# Altium PCB PS1-1B-BASIS.PcbDoc (part 4 of 7) (continued)
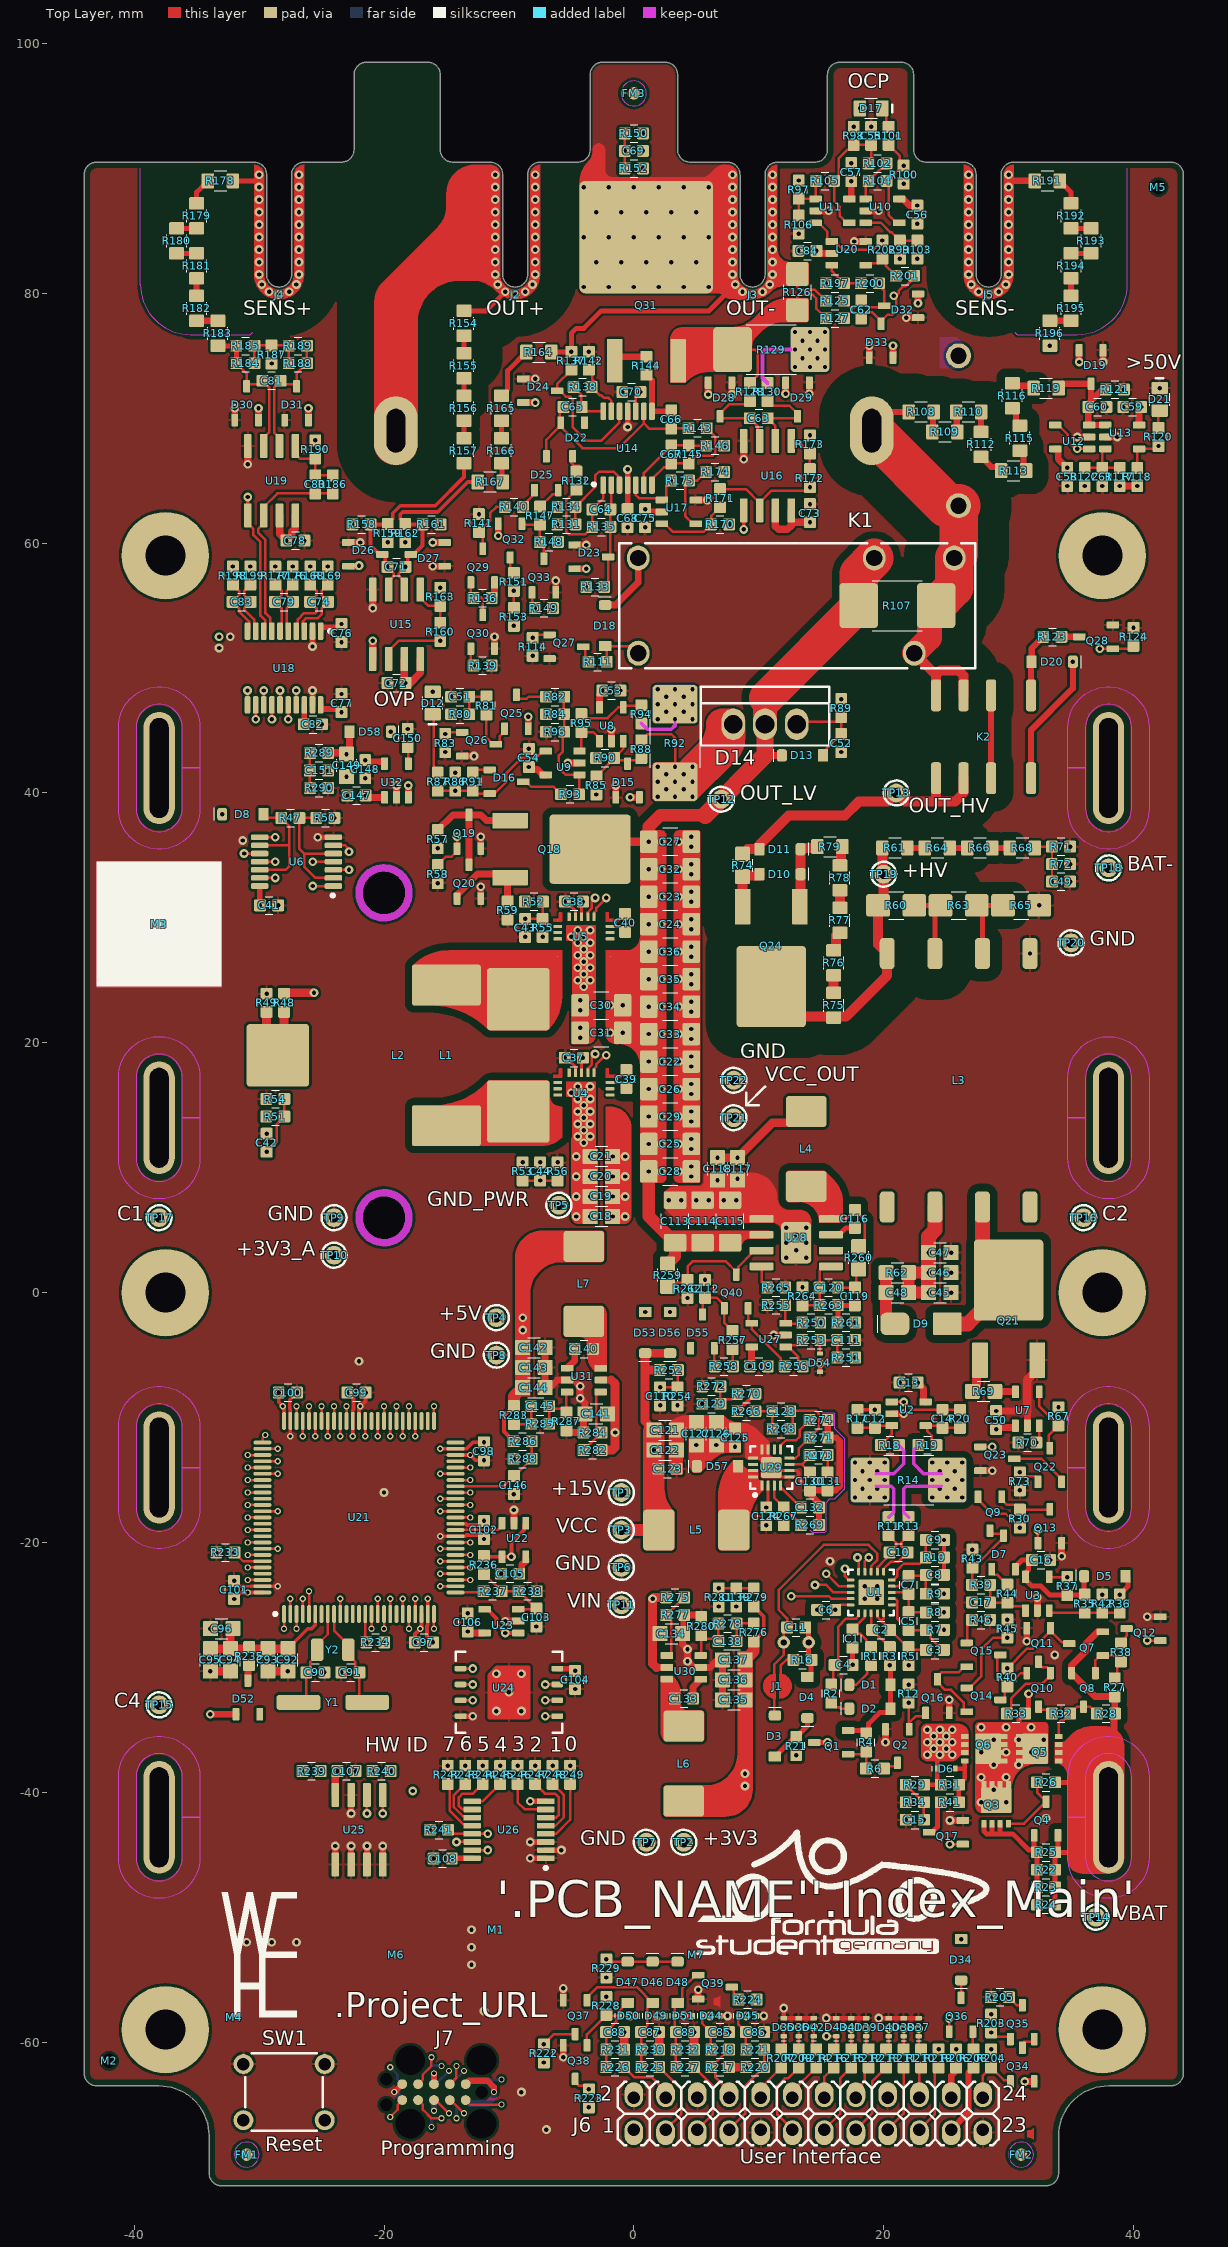
[diagram p0: Top Layer view]
## Nets (pads, with @x,y where several pads share a name; then routed paths per layer and width w, separated by ;. In a path a pad name is that pad's centre, name@x,y a point inside that pad or via, vN(x,y) a via of type N, cw(c..) or ccw(c..) an arc to the next point about the centre after c; other vN are vias at no path point) (continued)
BAT-: BAT4.2 C1.2 C4.2 C6.2 C8.2 C9.2 C11.2 D4.2 R10.1 R13.2 R14.1 R15.2 R16.2 R19.1 TP18.1 U1.11 U1.EP@19,-24 | length 181.4
  Top Layer w0.2: v1(16.9,-22.1) 16.9,-22.7 17.2,-23 U1.11@17.35,-23 ; R13.2@22,-17.975 21.6,-17.575 21.6,-15.7 21.8,-15.5 24.6,-15.5 v1(25.1,-15) 24.6,-14.5 23.2,-14.5 22.4,-13.7 22.4,-12.575 R19.1@22.775,-12.2
  Top Layer w0.3: C8.2@24.825,-22.6 R10.1@24.825,-21.2 v1(24.825,-19.8)
  Top Layer w0.4: C11.2@13.725,-26.8 14,-27.075 R15.2@14,-28 14,-29.175 R16.2@14.225,-29.4 14.2,-29.425 14.2,-30.55 14,-30.75 D4.2@13.9,-30.75 ; C1.2@17.5,-28.425 17.5,-29.775 v1(17.525,-29.8)
  Mid 3 (PWR) w0.3: v1(19.5,-23.5) 23.2,-19.8 v1(24.825,-19.8) 25.225,-19.4 27.6,-19.4 30.1,-16.9 31.4,-16.9 32.1,-16.2 35.1,-16.2 36,-15.3 36,-2.8 34.4,-1.2 34.4,6.7 35.7,8 35.7,18.4 41.6,24.3 41.6,41.4 41,42 BAT4.2@38,42
  Mid 3 (PWR) w0.4: R15.2@14,-28 15,-28 ; v1(14.675,-25.4) 14.732,-25.457 14.732,-26.282 15,-26.55 15,-28 ; v1(16.9,-22.1) 18.3,-23.5 v1(18.5,-23.5) ; v1(17.525,-29.8) 17.525,-28 ; v1(18.5,-24.5) 17.525,-25.475 17.525,-28 ; 15,-28 17.525,-28
  Mid 3 (PWR) w3.1: v1(25.1,-15) v1(25.1,-13.6) 25.1,-8.9 28,-6 28,14 38,24 TP18.1@38,34 BAT4.2@38,42
  other v1: 19.5,-24.5 23.9,-16.4 25.1,-16.4 26.3,-16.4 24.5,-15.7 25.7,-15.7 23.9,-15 26.3,-15 24.5,-14.3 25.7,-14.3 23.9,-13.6 26.3,-13.6
BMS_CTRL.I_BAT: C14.2 R20.2 U2.1@20.65,-8.75 U21.69 | length 88.1
  Top Layer w0.2: U21.69@-25,-10.275 v2(-25,-9.1) ; U2.1@20.65,-8.75 v1(21.6,-8.75) ; v1@21.595,-8.75 22.22,-9.375 C14.2@24.7,-9.375 R20.2@26.1,-9.375
  Mid 1 w0.2: v2(-25,-9.1) -24.4,-9.7 -23.8,-9.7 -23.5,-9.4 -23.5,-8.8 -23.3,-8.6 -22.6,-8.6 -22.4,-8.8 -22.4,-9.4 -21,-10.8 -21,-12.8 -21.5,-13.3 -21.5,-25 -21,-25.5 -18.6,-25.5 -18,-24.9 -18,-23.7 -17.4,-23.1 -17.4,-16 -16.5,-15.1 -15.1,-15.1 -13.8,-13.8 -13.8,-12.3 -12.4,-10.9 -2.7,-10.9 0.3,-7.9 0.3,-6.8 1.4,-5.7 5.4,-5.7 7,-4.1 10.9,-4.1 15.55,-8.75 v1(21.6,-8.75)
BMS_CTRL.WAKEUP: R21.2 U21.10 | length 67.7
  Top Layer w0.2: U21.10@-23.5,-25.725 v2(-23.5,-24.5)
  Mid 4 w0.2: v2(-23.5,-24.5) -29.3,-30.3 -29.3,-34.7 -28.1,-35.9 -5.686,-35.9 -3,-38.586 -3,-42.4 0.1,-45.5 6.7,-45.5 13.1,-39.1 13.1,-37.775 13,-37.675 v1(13,-37.025)
BMS_ON_OFF.CHG: Q17.1@26.35,-44.15 U1.10 | length 34.6
  Top Layer w0.2: v1(17.9,-21.2) 18,-21.3 U1.10@18,-22.35 ; v1(25.3,-44.15) Q17.1@26.35,-44.15
  Mid 1 w0.2: v1(17.9,-21.2) 18.6,-20.5 20.1,-20.5 22,-22.4 22,-27.1 24,-29.1 24,-31.7 20.85,-34.85 20.85,-42.25 22.75,-44.15 v1(25.3,-44.15)
BMS_ON_OFF.DSG: Q2.1@22.05,-34.95 Q16.1@23.35,-33.65 Q36.1@25.25,-59.15 R12.1 U1.9 | length 50
  Top Layer w0.2: U1.9@18.5,-22.35 18.5,-21.5 v1(18.8,-21.2) ; v1(22,-32.825) 22,-34.375 22.05,-34.425 ; Q2.1@22.05,-34.95 22.05,-34.425 ; Q16.1@23.35,-33.65 23.1,-33.9 22.575,-33.9 22.05,-34.425 ; Q36.1@25.25,-59.15 v1(25.25,-58.1)
  Mid 1 w0.2: v1(18.8,-21.2) 20.1,-21.2 21.6,-22.7 21.6,-27.3 23.5,-29.2 23.5,-31.325 v1(22,-32.825) 21.475,-32.825 19.5,-34.8 19.5,-48.6 25.25,-54.35 v1(25.25,-58.1)
BOOT0: J7.9 R233.1 U21.95 | length 63.1
  Top Layer w0.2: v1(-31.975,-20.8) -31.275,-21.5 U21.95@-29.725,-21.5 ; J7.9@-14.73,-64.635 -14.665,-64.635 v2(-13.6,-65.7)
  Mid 1 w0.2: v1(-31.975,-20.8) -32.5,-20.8 -33.7,-22 -33.7,-25 -33.3,-25.4 -33.3,-44.3 -19.7,-57.9 -14.9,-57.9 -13.8,-59 -13.8,-61.6 -13.6,-61.8 v2(-13.6,-62.3) -13.6,-62.6 -14,-63 -14,-65 -13.6,-65.4 v2(-13.6,-65.7)
  Bottom Layer w0.2: J7.9@-14.73,-63.365 -14.665,-63.365 v2(-13.6,-62.3)
BTN_ESC: J6.4 R226.1 | length 4.6
  Top Layer w0.2: R226.1@-0.775,-62 0.025,-62.8 1.4,-62.8 2.54,-63.94 J6.4@2.54,-64.46
BTN_ESC_f: C88.1 D47.2 D50.1 Q38.1@-3.75,-60.25 R226.2 R228.1 R231.1 | length 10
  Top Layer w0.2: Q38.1@-3.75,-60.25 -3.75,-59.375 R228.1@-2.2,-57.825 -2.125,-57.9 D50.1@-1.125,-57.9 ; R226.2@-2.225,-62 R231.1@-2.225,-60.6 C88.1@-2.225,-59.2 -1.425,-58.4 -1.425,-58.275 -1.125,-57.975 D50.1@-1.125,-57.9 ; D47.2@-0.5,-56.85 -1.125,-57.475 D50.1@-1.125,-57.9
BTN_OK: J6.3 R225.1 | length 6.3
  Top Layer w0.2: R225.1@2.025,-62 3.8,-63.775 3.8,-65.74 J6.3@2.54,-67
BTN_OK_f: C87.1 D46.2 D49.1 Q37.1@-3.75,-56.65 R225.2 R230.1 | length 11.9
  Top Layer w0.2: Q37.1@-3.75,-56.65 -3.75,-56.425 -2.925,-55.6 0.25,-55.6 D46.2@1.5,-56.85 1.075,-57.275 D49.1@1.075,-57.9 1.075,-58.7 C87.1@0.575,-59.2 R230.1@0.575,-60.6 R225.2@0.575,-62
BTN_OUT: J6.5 R227.1 | length 6.1
  Top Layer w0.2: R227.1@4.825,-62 6.3,-63.475 6.3,-65.78 J6.5@5.08,-67
BTN_OUT_f: C89.1 D48.2 D51.1 Q39.1@5.15,-54.65 R227.2 R232.1 | length 8.3
  Top Layer w0.2: R227.2@3.375,-62 R232.1@3.375,-60.6 C89.1@3.375,-59.2 3.275,-59.1 D51.1@3.275,-57.9 3.275,-57.075 3.475,-56.875 3.535,-56.875 3.86,-56.55 3.86,-55.715 4.925,-54.65 Q39.1@5.15,-54.65
BUTTON.ESC: Q38.3 R223.2 U21.86 | length 119.5
  Top Layer w0.2: v2(-30.9,-17) U21.86@-29.725,-17 ; Q38.3@-4.7,-62.95 -4.7,-63.175 -4.38,-63.495 -3.88,-63.495 v1(-3.6,-63.775)
  Mid 1 w0.2: v2(-30.9,-17) -31.7,-17 -34.2,-14.5 -34.2,-8.8 -36.3,-6.7 -41.2,-6.7 -42.9,-8.4 -42.9,-48.3 -33.5,-57.7 -33.5,-61.7 -24.7,-70.5 -6.9,-70.5 -2.5,-66.1 -2.5,-64.875 v1(-3.6,-63.775)
BUTTON.OK: Q37.3 R222.2 U21.98 | length 55.9
  Top Layer w0.2: v2(-30.9,-23) U21.98@-29.725,-23 ; v1(-7.2,-60.175) -6.375,-59.35 Q37.3@-4.7,-59.35
  Mid 1 w0.2: v2(-30.9,-23) -31.4,-23.5 -31.4,-24.774 -32.1,-25.474 -32.1,-41.9 -18.7,-55.3 -12.075,-55.3 v1(-7.2,-60.175)
BUTTON.OUT: Q39.3 R224.2 U21.96 | length 79.9
  Top Layer w0.2: v2(-30.9,-22) U21.96@-29.725,-22 ; Q39.3@7.85,-55.6 8,-55.75 8,-56.225 v1(8.375,-56.6)
  Mid 1 w0.2: v2(-30.9,-22) -32.5,-22 -32.9,-22.4 -32.9,-24.6 -32.5,-25 -32.5,-42.7 -19.1,-56.1 -12.4,-56.1 -8.7,-59.8 -8.7,-61.9 -7.9,-62.7 -6.2,-62.7 -5,-61.5 6.4,-61.5 7,-60.9 7,-58.9 7.4,-58.5 7.8,-58.5 8.375,-57.925 v1(8.375,-56.6)
C1: BAT3.2 BAT4.1 R9.1 TP17.1 | length 339.5
  Mid 1 w2.5: BAT3.2@-38,14 BAT4.1@-38,42
  Mid 2 (GND) w2.5: BAT3.2@-38,14 BAT4.1@-38,42
  Mid 3 (PWR) w0.3: BAT3.2@-38,11 -41.6,7.4 -41.6,-48.1 -28.8,-60.9 -28.8,-68.8 -26.8,-70.8 29.6,-70.8 32.1,-68.3 32.1,-65.9 33.8,-64.2 33.8,-57.4 42.3,-48.9 42.3,-22.6 39.7,-20 32.8,-20 30,-22.8 26.125,-22.8 v1(24.825,-24.1)
  Mid 3 (PWR) w1.5: TP17.1@-38,6 -38,11 BAT3.2@-38,14
  Mid 3 (PWR) w2.5: BAT3.2@-38,14 BAT4.1@-38,42
  Mid 4 w2.5: BAT3.2@-38,14 BAT4.1@-38,42
C2: BAT2.2 BAT3.1 R7.1 R8.1 TP16.1 | length 149.6
  Mid 1 w2.5: TP16.1@36,6 38,8 BAT3.1@38,14
  Mid 2 (GND) w2.5: TP16.1@36,6 38,8 ; BAT2.2@38,-14 38,-8 41.8,-4.2 41.8,4.2 38,8 ; BAT3.1@38,14 38,8
  Mid 3 (PWR) w0.3: v1(24.825,-27) v1(24.825,-25.6) 23.8,-24.575 23.8,-23.5 25.5,-21.8 27.9,-21.8 29.2,-20.5 29.2,-19 30.5,-17.7 31.8,-17.7 32.4,-17.1 37.4,-17.1 38,-16.5 BAT2.2@38,-14
  Mid 3 (PWR) w2.5: BAT2.2@38,-14 38,-8 41.8,-4.2 41.8,4.2 38,8 BAT3.1@38,14
  Mid 4 w2.5: BAT2.2@38,-14 38,-8 ; BAT3.1@38,14 38,8 ; 38,-8 41.8,-4.2 41.8,4.2 38,8 ; 38,-8 33,-3 33,3 TP16.1@36,6 38,8
C4: BAT1.2 BAT2.1 R5.1 TP15.1 | length 246.2
  Mid 1 w2.5: BAT1.2@-38,-42 TP15.1@-38,-33 BAT2.1@-38,-14
  Mid 2 (GND) w2.5: BAT1.2@-38,-42 TP15.1@-38,-33 BAT2.1@-38,-14
  Mid 3 (PWR) w0.3: BAT1.2@-38,-42 -38,-48.1 -27.2,-58.9 -27.2,-67.4 -25.3,-69.3 28.9,-69.3 30.4,-67.8 30.4,-65.5 32.3,-63.6 32.3,-51.8 26.7,-46.2 26.7,-30.6 25.925,-29.825 v1(22,-29.825)
  Mid 3 (PWR) w2.5: BAT1.2@-38,-42 TP15.1@-38,-33 BAT2.1@-38,-14
  Mid 4 w2.5: BAT1.2@-38,-42 TP15.1@-38,-33 BAT2.1@-38,-14
CONV_CTRL.EN: R47.1 R50.1 U6.2 U6.5 U21.38 | length 86.6
  Top Layer w0.2: v1(-25.425,38) R47.1@-26.775,38 -26.775,35.525 -26.4,35.15 ; U6.2@-24.05,33.2 -25.5,33.2 -26.4,34.1 -26.4,35.15 ; U6.5@-24.05,35.15 -26.4,35.15 ; U21.38@-14.275,-18 v2(-13.1,-18)
  Mid 4 w0.2: v1(-25.425,38) -26.825,39.4 -29.3,39.4 -32,36.7 -32,34 -31.7,33.7 -31.7,6.2 -23.1,-2.4 -18.5,-2.4 -11.3,-9.6 -11.3,-16.2 v2(-13.1,-18)
CONV_CTRL.PRIM_H: U6.10 U21.72 | length 53.1
  Top Layer w0.2: v1(-31.2,35.15) U6.10@-29.95,35.15 ; v2(-26.5,-11.5) U21.72@-26.5,-10.275
  Mid 1 w0.2: v1(-31.2,35.15) -33.3,33.05 -33.3,4.8 -31.4,2.9 -31.4,-2.6 -26.2,-7.8 -26.2,-8.3 -26.5,-8.6 v2(-26.5,-11.5)
CONV_CTRL.PRIM_L: U6.13 U21.71 | length 50.8
  Top Layer w0.2: U6.13@-29.95,33.2 v1(-28.7,33.2) ; U21.71@-26,-10.275 v2(-26,-9.1)
  Mid 1 w0.2: v1(-28.7,33.2) -31,33.2 -32.5,31.7 -32.5,5.1 -30.6,3.2 -30.6,-2.3 -25.4,-7.5 -25.4,-8.1 -26,-8.7 v2(-26,-9.1)
CONV_CTRL.SEC_H: U6.4 U21.68 | length 56.6
  Top Layer w0.2: v1(-25.7,34.5) U6.4@-24.05,34.5 ; v2(-24.5,-11.5) U21.68@-24.5,-10.275
  Mid 1 w0.2: v1(-25.7,34.5) -28,32.2 -30.5,32.2 -31.7,31 -31.7,5.6 -29.8,3.7 -29.8,-2 -24.6,-7.2 -24.6,-7.9 -25.5,-8.8 -25.5,-9.5 -24.5,-10.5 v2(-24.5,-11.5)
CONV_CTRL.SEC_L: U6.1 U21.67 | length 49.7
  Top Layer w0.2: v1(-25.7,32.55) U6.1@-24.05,32.55 ; U21.67@-24,-10.275 v2(-24,-9.1)
  Mid 1 w0.2: v1(-25.7,32.55) -30.9,27.35 -30.9,6.1 -29,4.2 -29,-1.7 -23.8,-6.9 -23.8,-8.5 -24,-8.7 v2(-24,-9.1)
CONV_CTRL.TEMP_PRIM: C44.1 R53.2 R56.1 U21.56 | length 29.1
  Top Layer w0.2: v2(-18.5,-11.5) U21.56@-18.5,-10.275 ; R53.2@-8.9,8.975 v1(-7.5,8.975) R56.1@-6.1,8.975
  Mid 1 w0.2: v2(-18.5,-11.5) -18.5,-2.025 v1(-7.5,8.975)
CONV_CTRL.TEMP_SEC: C43.1 R52.2 R55.1 U21.57 | length 63.7
  Top Layer w0.2: U21.57@-19,-10.275 v2(-19,-9.1) ; v1(-8.7,29.925) R55.1@-7.3,29.925 -7.275,29.95 R52.2@-7.275,31.3
  Mid 1 w0.2: v2(-19,-9.1) -19,-6.2 -19.3,-5.9 -19.3,-5.1 -25.8,1.4 -25.8,5.5 -27.6,7.3 -27.6,27 -25.7,28.9 -17.4,28.9 -16.375,29.925 v1(-8.7,29.925)
CONV_CTRL.TEMP_TRAFO: C42.1 R51.2 R54.1 U21.59 | length 30.4
  Top Layer w0.2: v1(-29.4,11.275) -28.6,12.075 -28.6,13.475 R51.2@-27.975,14.1 -27.975,15.2 -28.125,15.35 R54.1@-27.975,15.5 ; U21.59@-20,-10.275 v2(-20,-9.1)
  Mid 1 w0.2: v1(-29.4,11.275) -29.3,11.175 -29.3,6.8 -27.4,4.9 -27.4,0.8 -20.9,-5.7 -20.9,-6.5 -20,-7.4 v2(-20,-9.1)
CONV_PRIM_H: U4.12 U6.8 | length 38.3
  Top Layer w0.2: U6.8@-29.95,36.45 v1(-28.7,36.45) ; U4.12@-3.175,17.6 -3.175,17.925 -3,18.1 -3,18.3 -2.3,19 v1(-2.2,19)
  Mid 4 w0.2: v1(-28.7,36.45) -26.8,34.55 -26.8,32.2 -14.4,19.8 -2.9,19.8 -2.2,19.1 v1(-2.2,19)
CONV_PRIM_L: U4.13 U6.11 | length 37.7
  Top Layer w0.2: U6.11@-29.95,34.5 v1(-28.7,34.5) ; U4.13@-3.675,17.6 -3.675,17.952 -3.35,18.277 -3.35,18.85 v1(-3.1,19.1)
  Mid 4 w0.2: v1(-28.7,34.5) -28.2,34.5 -27.6,33.9 -27.6,31.9 -13.4,17.7 -3.8,17.7 -3.1,18.4 v1(-3.1,19.1)
CONV_SEC_H: U5.12 U6.6 | length 35.2
  Top Layer w0.2: U6.6@-24.05,35.8 -23.1,35.8 -22.8,35.5 v1(-22.8,35.3) ; U5.12@-3.175,30.1 -3.175,30.425 -3,30.6 -3,30.8 v1(-2.2,31.6)
  Mid 4 w0.2: v1(-22.8,35.3) -23.3,35.3 -23.8,34.8 -23.8,30.5 -20.2,26.9 -6.8,26.9 -5.9,27.8 -5.9,29.3 -4.9,30.3 -3,30.3 -2.2,31.1 v1(-2.2,31.6)
CONV_SEC_L: U5.13 U6.3 | length 31.6
  Top Layer w0.2: U6.3@-24.05,33.85 v1(-22.8,33.85) ; U5.13@-3.675,30.1 -3.675,30.452 -3.35,30.777 -3.35,31.35 v1(-3.1,31.6)
  Mid 4 w0.2: v1(-22.8,33.85) -23,33.65 -23,30.8 -19.9,27.7 -7.1,27.7 -6.7,28.1 -6.7,29.6 -6.2,30.1 -6.2,31.6 -5.4,32.4 -3.5,32.4 -3.1,32 v1(-3.1,31.6)
DISCHARGE/: Q19.1@-14.15,35.55 R58.1 U21.31 | length 97.5
  Top Layer w0.2: R58.1@-15.7,34.225 -15.025,34.9 -14.575,34.9 -14.15,35.325 Q19.1@-14.15,35.55 v1(-14.15,36.5) ; v2(-15.5,-21.5) U21.31@-14.275,-21.5
  Mid 4 w0.2: v2(-15.5,-21.5) -15.9,-21.5 -16.4,-21 -16.4,-19.6 -15.6,-18.8 -14.6,-18.8 -14.1,-18.3 -14.1,-7.9 -18.8,-3.2 -23.4,-3.2 -32.5,5.9 -32.5,37.3 -28.7,41.1 -24,41.1 -23.4,40.5 -20.3,40.5 -18.8,39 -16.65,39 v1(-14.15,36.5)
DISPLAY.CS: D40.1 R213.2 U21.3 | length 79.8
  Top Layer w0.2: v2(-27,-26.9) U21.3@-27,-25.725 ; R213.2@20.2,-60.575 20.4,-60.375 D40.1@20.4,-59.525 v1(20.4,-58.9)
  Mid 1 w0.2: v2(-27,-26.9) -27.1,-27 -27.1,-27.3 -29.7,-29.9 -29.7,-36.2 -22,-43.9 -22,-44.6 -17.9,-48.7 -9.6,-48.7 -4,-54.3 -4,-56 -2.5,-57.5 -1.4,-57.5 3.5,-52.6 16.7,-52.6 20.4,-56.3 v1(20.4,-58.9)
DISPLAY.MISO: D37.1 R210.2 U21.4 | length 95.3
  Top Layer w0.2: U21.4@-26.5,-25.725 v2(-26.5,-24.5) ; v1(22.8,-58.9) D37.1@22.8,-59.525 22.8,-60.375 R210.2@23,-60.575
  Mid 1 w0.2: v2(-26.5,-24.5) -26.5,-24.1 -27.7,-22.9 -28.8,-22.9 -29.1,-23.2 -29.1,-24.6 -31.3,-26.8 -31.3,-40.3 -18.5,-53.1 -11.7,-53.1 -4.1,-60.7 4.6,-60.7 5.5,-59.8 5.5,-57.5 7.2,-55.8 15.1,-55.8 16.4,-57.1 16.4,-59.3 18.1,-61 21.4,-61 22.8,-59.6 v1(22.8,-58.9)
DISPLAY.MOSI: D38.1 R211.2 U21.5 | length 90.9
  Top Layer w0.2: U21.5@-26,-25.725 v2(-26,-23.9) ; R211.2@21.6,-60.575 D38.1@21.6,-59.525 v1(21.6,-58.9)
  Mid 1 w0.2: v2(-26,-23.9) -26,-24.8 -27.1,-25.9 -28.3,-25.9 -30.5,-28.1 -30.5,-38.7 -18.9,-50.3 -12.1,-50.3 -2.5,-59.9 2.5,-59.9 3.3,-59.1 3.3,-56.6 5.7,-54.2 15.9,-54.2 18,-56.3 18,-59.5 18.7,-60.2 21.1,-60.2 21.6,-59.7 v1(21.6,-58.9)
DISPLAY.SCK: D39.1 R212.2 U21.1 | length 79.2
  Top Layer w0.2: v2(-28,-26.9) U21.1@-28,-25.725 ; v1(18.6,-58.9) D39.1@18.6,-59.525 18.6,-60.375 R212.2@18.8,-60.575
  Mid 1 w0.2: v2(-28,-26.9) -30.1,-29 -30.1,-37.1 -23.3,-43.9 -23.3,-44.6 -18.4,-49.5 -10.5,-49.5 -4.8,-55.2 -4.8,-56.4 -2.7,-58.5 0.1,-58.5 5.2,-53.4 16.3,-53.4 18.9,-56 18.9,-58.6 v1(18.6,-58.9)
DISPLAY.WR: D41.1 R215.2 U21.2 | length 82.3
  Top Layer w0.2: U21.2@-27.5,-25.725 v2(-27.5,-24.5) ; R215.2@17.4,-60.575 D41.1@17.4,-59.525 v1(17.4,-58.9)
  Mid 1 w0.2: v2(-27.5,-24.5) -28,-24.5 -30.9,-27.4 -30.9,-39.5 -18.7,-51.7 -11.9,-51.7 -3.3,-60.3 2.8,-60.3 4.6,-58.5 4.6,-57.2 6.8,-55 15.5,-55 17.2,-56.7 17.2,-58.7 v1(17.4,-58.9)
DISPLAY_CS: J6.15 R213.1 | length 6
  Top Layer w0.2: J6.15@17.78,-67 19.1,-65.68 19.1,-63.125 R213.1@20.2,-62.025
DISPLAY_MISO: J6.20 R210.1 | length 2.5
  Top Layer w0.2: J6.20@22.86,-64.46 22.86,-62.165 R210.1@23,-62.025
DISPLAY_MOSI: J6.17 R211.1 | length 5.5
  Top Layer w0.2: J6.17@20.32,-67 21.6,-65.72 R211.1@21.6,-62.025
DISPLAY_SCK: J6.16 R212.1 | length 2.9
  Top Layer w0.2: J6.16@17.78,-64.46 17.78,-63.82 18.5,-63.1 18.5,-62.325 R212.1@18.8,-62.025
DISPLAY_WR: J6.13 R215.1 | length 5.9
  Top Layer w0.2: J6.13@15.24,-67 16.51,-65.73 16.51,-62.915 R215.1@17.4,-62.025
ENCODER.A: C86.1 D45.1 R221.2 U21.94 | length 83.5
  Top Layer w0.2: v2(-30.9,-21) U21.94@-29.725,-21 ; R221.2@8.975,-60.6 C86.1@8.975,-59.2 8.375,-58.6 D45.1@8.375,-57.9 v1(9,-57.9)
  Mid 1 w0.2: v2(-30.9,-21) -31.3,-21 -31.8,-21.5 -32.6,-21.5 -33.3,-22.2 -33.3,-24.8 -32.9,-25.2 -32.9,-43.5 -19.3,-57.1 -13.5,-57.1 -9.9,-60.7 -9.9,-62.1 -8.4,-63.6 -6.2,-63.6 -4.5,-61.9 6.7,-61.9 9,-59.6 v1(9,-57.9)
ENCODER.B: C85.1 D44.1 R218.2 U21.93 | length 75.8
  Top Layer w0.2: U21.93@-29.725,-20.5 v2(-28.5,-20.5) ; v1(6.1,-57.9) D44.1@5.475,-57.9 5.475,-58.5 C85.1@6.175,-59.2 R218.2@6.175,-60.6
  Mid 1 w0.2: v2(-28.5,-20.5) -29.1,-20.5 -29.9,-21.3 -29.9,-24.3 -31.7,-26.1 -31.7,-41.1 -18.3,-54.5 -11.4,-54.5 -4.8,-61.1 5.1,-61.1 6.1,-60.1 v1(6.1,-57.9)
ENCODER_A_UI: J6.7 R220.2 R221.1 | length 7.6
  Top Layer w0.2: J6.7@7.62,-67 8.9,-65.72 8.9,-63.525 R220.2@10.425,-62 R221.1@10.425,-60.6
ENCODER_B_UI: J6.8 R217.2 R218.1 | length 5.1
  Top Layer w0.2: J6.8@7.62,-64.46 7.62,-63.92 6.5,-62.8 6.5,-62.325 R217.2@6.175,-62 6.2,-62 7.6,-60.6 R218.1@7.625,-60.6
GND: C13.2 C15.2 C16.2 C17.2 C37.2 C38.2 C41.2 C42.2 C43.2 C44.2 C45.2 C46.2 C47.2 C49.2 C50.2 C51.2 C53.2 C54.2 C55.2 C56.2 C57.2 C58.2 C59.2 C60.2 C61.2 C68.2 C69.2 C70.2 C72.2 C73.2 C75.2 C76.2 C77.2 C78.2 C82.2 C84.2 C85.2 C86.2 C87.2 C88.2 C89.2 C90.2 C91.2 C92.2 C93.2 C94.2 C95.2 C96.2 C97.2 C98.2 C99.2 C100.2 C101.2 C102.2 C103.2 C104.2 C105.2 C106.2 C107.2 C108.2 C109.2 C110.2 C111.2 C112.2 C113.2 C114.2 C115.2 C117.2 C118.2 C121.2 C122.2 C123.2 C124.2 C125.2 C126.2 C127.2 C129.2 C130.2 C131.2 C132.2 C134.2 C135.2 C136.2 C137.2 C139.2 C141.2 C142.2 C143.2 C144.2 C146.2 C147.2 C148.2 C149.2 C150.2 C151.2 D15.1@-1.45,39.65 D19.1@37.55,75.45 D21.1 D23.1@-4.75,59.85 D24.1@-8.85,73.15 D26.1@-22.85,60.05 D27.1@-15.15,58.15 D28.1@7.85,72.85 D29.1@14.05,72.85 D30.1@-31.95,69.85 D31.1@-27.95,69.85 D32.1@22.75,78.05 D33.1@18.85,74.85 D35.2 D36.2 D37.2 D38.2 D39.2 D40.2 D41.2 D42.2 D43.2 D44.2 D45.2 D49.2 D50.2 D51.2 D54.2 J6.2 J6.6 J6.9 J6.18 J6.23 J7.3 J7.5 L3.5 NT1.1 Q2.2 Q11.2 Q12.2 Q13.2 Q16.2 Q17.2 Q19.2 Q20.2 Q21.2 Q23.2 Q26.2 Q27.2 Q28.2 Q30.2 Q33.2 Q37.2 Q38.2 Q39.2 R11.2 R12.2 R14.2 R18.1 R34.2 R42.2 R43.2 R45.2 R46.2 R49.2 R50.2 R54.2 R55.2 R56.2 R58.2 R59.2 R65.2 R70.2 R71.2 R72.2 R73.2 R83.2 R90.2 R96.2 R103.2 R106.2 R114.2 R121.2 R122.2 R124.2 R134.2 R139.2 R141.2 R142.2 R152.2 R205.2 R229.2 R230.2 R231.2 R232.2 R233.2 R238.2 R242.2 R243.2 R244.2 R245.2 R246.2 R247.2 R248.2 R249.2 R254.2 R255.2 R262.2 R264.2 R265.2 R269.2 R271.2 R272.2 R274.2 R277.2 R280.2 R281.2 R284.2 R287.2 R288.2 R290.2 SW1.2 TP6.1 TP7.1 TP8.1 TP9.1 TP20.1 TP22.1 U2.2 U3.2 U4.15 U5.15 U6.7 U7.2 U8.2 U9.2 U10.2 U11.2 U12.2 U13.2 U14.11 U15.4 U16.4 U17.5 U18.2 U18.19 U19.4 U20.5 U21.23 U21.35 U21.48 U21.63 U21.74 U21.99 U22.2 U23.2 U24.4 U24.EP U25.1@-23.905,-45.78 U25.2 U25.3 U25.4 U25.7 U26.1 U26.2 U26.3 U26.8 U27.2 U28.1@10.22,5.905 U28.EP U29.5 U29.6 U29.11 U29.12 U29.13 U29.EP U30.2 U31.2 U32.2 | length 188.6
  Top Layer w0.2: -31.15,-23.5 -30.65,-23.5 ; R11.2@20.4,-17.975 20.8,-17.575 20.8,-15.7 20.6,-15.5 19.4,-15.5 v1(18.9,-15) 19.4,-14.5 20.8,-14.5 21.6,-13.7 21.6,-12.625 21.2,-12.225 R18.1@21.225,-12.2
  Top Layer w0.25: v1(-5.525,18.8) -5.4,18.8 -4.675,18.075 U4.15@-4.675,17.6 ; v1(-5.525,31.3) -5.4,31.3 -4.675,30.575 U5.15@-4.675,30.1 ; C125.2@8.1,-10.875 C125.2@8.475,-10.875 ; C130.2@14.1,-15.825 13.2,-14.925 13.2,-14.75 ; C125.2@8.475,-10.875 9.475,-10.875 10.4,-11.8 ; C125.2@8.475,-10.875 9.1,-11.5 9.1,-13.1 9.25,-13.25 U29.13@9.55,-13.25 U29.EP@10.25,-13.25 ; U29.EP@10.25,-13.25 U29.12@10.25,-12.55 10.25,-11.95 10.4,-11.8 ; U29.EP@10.25,-13.25 U29.EP@10.75,-13.75 ; 10.4,-11.8 10.75,-12.15 U29.11@10.75,-12.55 U29.EP@10.75,-13.75 ; U29.EP@10.75,-13.75 U29.EP@11,-14 U29.EP@11.25,-14.25 ; U29.EP@11.25,-14.25 U29.6@12.45,-14.25 13.05,-14.25 13.2,-14.4 13.2,-14.75 ; U29.EP@11.25,-14.25 11.75,-14.75 U29.5@12.45,-14.75 13.2,-14.75
  Top Layer w0.3: v1(-32,-23.075) -31.575,-23.5 -31.15,-23.5 ; -30.65,-23.5 U21.99@-29.725,-23.5 v2(-28.5,-23.5) ; v2(-27.5,-11.5) U21.74@-27.5,-10.275 -27.5,-9.35 -27.55,-9.3 -27.55,-8.575 v1(-26.975,-8) ; U21.63@-22,-10.275 -22,-9.2 v2(-21.9,-9.1) -21.475,-8.675 v1(-21.475,-8) ; v1(-17.525,-28) -17.525,-27.325 v2(-17.1,-26.9) -17,-26.8 U21.23@-17,-25.725 ; v2(-15.5,-19.5) U21.35@-14.275,-19.5 -13.5,-19.5 -13.4,-19.4 -12.325,-19.4 v1(-12,-19.725) ; U21.48@-14.275,-13 v2(-13.1,-13) -12.675,-13.425 v1(-12,-13.425)
  Top Layer w0.35: v1(-0.3,-57.9) D50.2@0.325,-57.9 ; v1(1.9,-57.9) D49.2@2.525,-57.9 ; v1(4,-57.9) D51.2@4.725,-57.9 ; D44.2@6.925,-57.9 v1(7.5,-57.9) ; D45.2@9.825,-57.9 v1(10.4,-57.9) ; v1(12,-57.275) D35.2@12,-58.075 D42.2@14.4,-58.075 ; D54.2@14.9,-6.325 v1(14.9,-5.7) ; v1(15.4,-58.075) D43.2@16.2,-58.075 D39.2@18.6,-58.075 ; v1(19.6,-58.075) D40.2@20.4,-58.075 D37.2@22.8,-58.075
  Top Layer w0.45: U18.19@-25.725,47.05 v1(-25.725,48.2) ; v1(-25.725,51.725) U18.2@-25.725,52.95 ; v1(-25.3,36.45) U6.7@-24.05,36.45 ; U24.4@-13.87,-33.905 v1(-12.9,-33.905) ; v1(-8.3,-45.275) U26.1@-7.05,-45.275 ; v1(-8.3,-43.975) U26.3@-7.05,-43.975 ; v1(-8.3,-40.725) U26.8@-7.05,-40.725 ; U26.2@-7.05,-44.625 v1(-5.8,-44.625) ; v1(-0.5,69.3) U14.11@-0.5,70.55
  Top Layer w0.5: U25.1@-23.905,-45.78 v1(-23.905,-44.3) ; U25.2@-22.635,-45.78 v1(-22.635,-44.3) ; v1(-22.635,-41.7) U25.7@-22.635,-40.22 ; U25.3@-21.365,-45.78 v1(-21.365,-44.3) ; U25.4@-20.095,-45.78 v1(-20.095,-44.3) ; v2(-19.175,-64) J7.5@-18.54,-63.365 ; J7.3@-16,-63.365 v2(-16,-62.5) ; R269.2@14.825,-18.775 R269.2@14.825,-18.6 C132.2@14.825,-17.2 14.825,-16.862 14.1,-16.137 C130.2@14.1,-15.825 14.825,-15.825 C131.2@15.5,-15.825 16.174,-15.825 16.475,-15.524 16.475,-11.876 16.199,-11.6 R271.2@15.525,-11.6 R274.2@15.525,-10.2
  Top Layer w0.55: D30.1@-31.95,69.85 v1(-31.95,70.8) ; D26.1@-22.85,60.05 v1(-21.9,60.05) ; U32.2@-19,39.65 v1(-19,40.6) ; v1(-16.1,58.15) D27.1@-15.15,58.15 ; Q26.2@-13.75,42.95 v1(-12.8,42.95) ; Q20.2@-12.25,31.55 v1(-12.25,32.5) ; Q19.2@-12.25,35.55 v1(-12.25,36.5) ; Q30.2@-11.15,51.55 v1(-11.15,52.5) ; v1(-10.3,-26.3) U23.2@-9.25,-26.3 ; U22.2@-9.6,-18.45 v1(-9.6,-17.4) ; D24.1@-8.85,73.15 v1(-7.9,73.15) ; C142.2@-7.1,-4.4 C143.2@-7.1,-6 C144.2@-7.1,-7.6 -6.7,-7.6 -6.1,-7 U31.2@-5.35,-7 -4.8,-7 v1(-4.3,-7.5) v1(-4.3,-8.456) -3.9,-8.856 C141.2@-3.9,-9.7 ; Q33.2@-6.25,56.05 v1(-6.25,57) ; v1(-5.65,-61.2) Q38.2@-5.65,-60.25 ; Q37.2@-5.65,-56.65 v1(-5.65,-55.7) ; R287.2@-5.4,-11.025 -5.225,-11.2 R284.2@-4.025,-11.2 C141.2@-4.025,-10.047 ; v1(-5.3,42.4) U9.2@-4.35,42.4 ; D23.1@-4.75,59.85 v1(-3.8,59.85) ; U8.2@-1.8,44.15 v1(-1.8,45.1) ; D15.1@-1.45,39.65 v1(-1.45,40.6) ; C134.2@3.9,-27.3 3.9,-28.144 v1(4.3,-28.544) v1(4.3,-29.5) 4.8,-30 6.1,-30 6.7,-29.4 C137.2@7.1,-29.4 C136.2@7.1,-31 C135.2@7.1,-32.6 ; C134.2@4.025,-26.953 R277.2@4.025,-25.8 5.225,-25.8 R280.2@5.4,-25.975 ; U17.5@4.95,63.45 v1(5.9,63.45) ; Q39.2@5.15,-56.55 v1(5.15,-55.8) ; v1(7.85,71.9) D28.1@7.85,72.85 ; v1(11.2,-3.4) U27.2@12.15,-3.4 ; v1(14.05,71.95) 14.05,72.85 D29.1@14.05,72.9 ; U11.2@14.55,86.6 v1(15.6,86.6) ; v1(17.65,84.15) U20.5@18.6,84.15 ; U10.2@18.55,86.6 v1(19.6,86.6) ; D33.1@18.85,74.85 v1(18.85,75.8) ; v1(20.15,-36) Q2.2@20.15,-34.95 ; U2.2@20.65,-9.7 v1(21.6,-9.7) ; v1(21.8,78.05) D32.1@22.75,78.05 ; Q16.2@25.25,-33.65 v1(25.25,-32.6) ; v1(25.3,-42.25) Q17.2@26.35,-42.25 ; Q23.2@27.75,-14.25 v1(28.7,-14.25) ; v1(29,-9.475) 31.5,-9.475 U7.2@31.5,-10.65 ; v1(31.45,-27.9) Q11.2@31.45,-26.85 ; U3.2@32.3,-25.45 v1(32.3,-24.4) ; v1(34.25,-21.1) Q13.2@34.25,-20.05 ; v1(35.5,68.5) U12.2@36.45,68.5 ; v1(37.55,74.5) D19.1@37.55,75.45 ; U13.2@37.75,68.5 v1(38.7,68.5) ; v1(41.1,-25.95) Q12.2@42.15,-25.95
  Top Layer w0.6: v1(-30.905,66.305) U19.4@-30.905,67.78 ; v1(-20.905,54.8) U15.4@-20.905,56.275 ; v1(8.795,66.705) U16.4@8.795,68.18
  Top Layer w0.7: v1(-33.9,-30.3) C94.2@-32.3,-30.3 ; C93.2@-29.3,-30.3 v1(-27.7,-30.3) ; R231.2@-0.775,-60.6 v1(-0.775,-59.2) ; R230.2@2.025,-60.6 v1(2.025,-59.2) ; v1(2.8,7.4) C113.2@3.3,7.4 v1(3.8,7.4) ; R232.2@4.825,-60.6 v1(4.825,-59.2) ; v1(5,7.4) C114.2@5.5,7.4 v1(6,7.4) ; C126.2@6.6,-10.4 6.8,-10.6 7.4,-10.6 7.675,-10.875 C125.2@8.1,-10.875 ; v1(7.2,7.4) C115.2@7.7,7.4 v1(8.2,7.4) ; 31.5,-9.475 31.5,-6.986 32.286,-6.2 Q21.2@32.286,-5.4
  Top Layer w0.95: C123.2@3.425,-14.1 3.425,-12.625 C122.2@3.4,-12.6 C121.2@3.4,-11 4,-10.4 C127.2@5,-10.4 C126.2@6.6,-10.4
  Bottom Layer w0.5: v2(-19.175,-64) J7.5@-18.54,-64.635 ; v2(-16,-65.5) J7.3@-16,-64.635
  other v1: -7,-67 -9,-64 7.625,-59.2 10.425,-59.2 -12,-57.5 28.575,-56.4 -2.2,-54.825 -13,-53.8 -13,-52.4 -31,-52 -29,-52 -27,-52 -13,-51 -16.025,-45.3 21.775,-42.2 33,-42.1 21.775,-40.8 -22.275,-38.3 -14.9,-37.875 -13.5,-37.875 -12.1,-37.875 -10.7,-37.875 -9.3,-37.875 -7.9,-37.875 -6.5,-37.875 -5.1,-37.875 -11,-33.5 -9,-33.5 -10,-32 -4.7,-31.725 22,-31.375 -11,-30.5 -9,-30.5 -24.775,-30.4 -23.425,-30.4 33.7,-29 -33.9,-26.9 -7.8,-26.725 28.525,-26.2 29.9,-26.175 -13.3,-25.675 6.8,-25.125 8.2,-25.125 27.075,-24.8 37.5,-24.175 -7.775,-23.9 -10.625,-22.5 15.7,-21.5 33.325,-21.4 -33.425,-20.8 27.1,-20.575 10.6,-18.625 17.7,-16.4 18.9,-16.4 20.1,-16.4 -9.6,-16.125 -20,-16 30.9,-15.825 18.3,-15.7 19.5,-15.7 17.7,-15 20.1,-15 18.3,-14.3 19.5,-14.3 17.7,-13.6 18.9,-13.6 20.1,-13.6 -9.625,-13.3 30.775,-12 2.1,-9.025 3.5,-9.025 5.475,-8.9 5.475,-7.5 21.275,-7.2 10.725,-5.9 -22,-5.5 17.725,-3.8 10.675,-1 4.3,-0.425 25.4,0 12.125,0.4 13.5,0.425 5.7,1.025 25.4,1.6 12.2,2.8 13.8,2.8 25.4,3.2 13,3.4 12.2,4 13.8,4 13,4.6 12.2,5.2 13.8,5.2 6.7,9 8.301,9.11 -7.5,10.425 -6.1,10.425 -29.4,12.725 -29.425,15.5 -29.4,23.925 31.715,27.15 -8.7,28.475 -7.3,28.475 -28.475,31 32.45,31 -15.7,32.775 34.925,32.9 34.925,34.3 34.925,35.7 -31.3,36.2 -23.975,38 -22.925,39.8 -24.475,40.4 -21.5,41.175 -23,41.3 -24.475,41.8 -3.025,42.8 -15.1,43.275 -8.4,43.525 -7.025,44.9 -18.1,45.125 -24.975,45.5 -14.625,47.7 -23.4,47.925 -1.075,48.2 -19.725,48.8 -11.375,50.2 -8.1,50.975 -33.2,51.6 -23.4,52.075 -32.3,52.5 40,53.225 -26.375,60.2 -0.5,61.275 0.9,61.275 -12.4,62.325 -6.125,62.9 14.1,63.125 34.7,64.575 36.1,64.575 37.5,64.575 37.825,70.9 39.175,70.9 -0.925,72.1 39.225,72.3 42.1,72.4 -3.6,75.325 22.7,82.775 13.175,83.4 13.2,84.775 22.7,85.575 0.725,90 17.4,90.425 0.725,91.4 19,93.325